# Altium PCB BMD_RevB_PCB.PcbDoc (part 2 of 3)
Units mil, origin at the board's own origin, x right, y up, seen from the top; angles counter-clockwise.
Board outline 5748.03 x 2329.72 mil, 6 copper layers (L1-Top, L2-GND, L3-MID, L4-PWR, L5-PWR5V, L6-Bottom), stack 60.268 mil thick; 313 components, 215 nets, 1099 pads, 390 vias.
Unrouted connection lines stored in the file: 98.
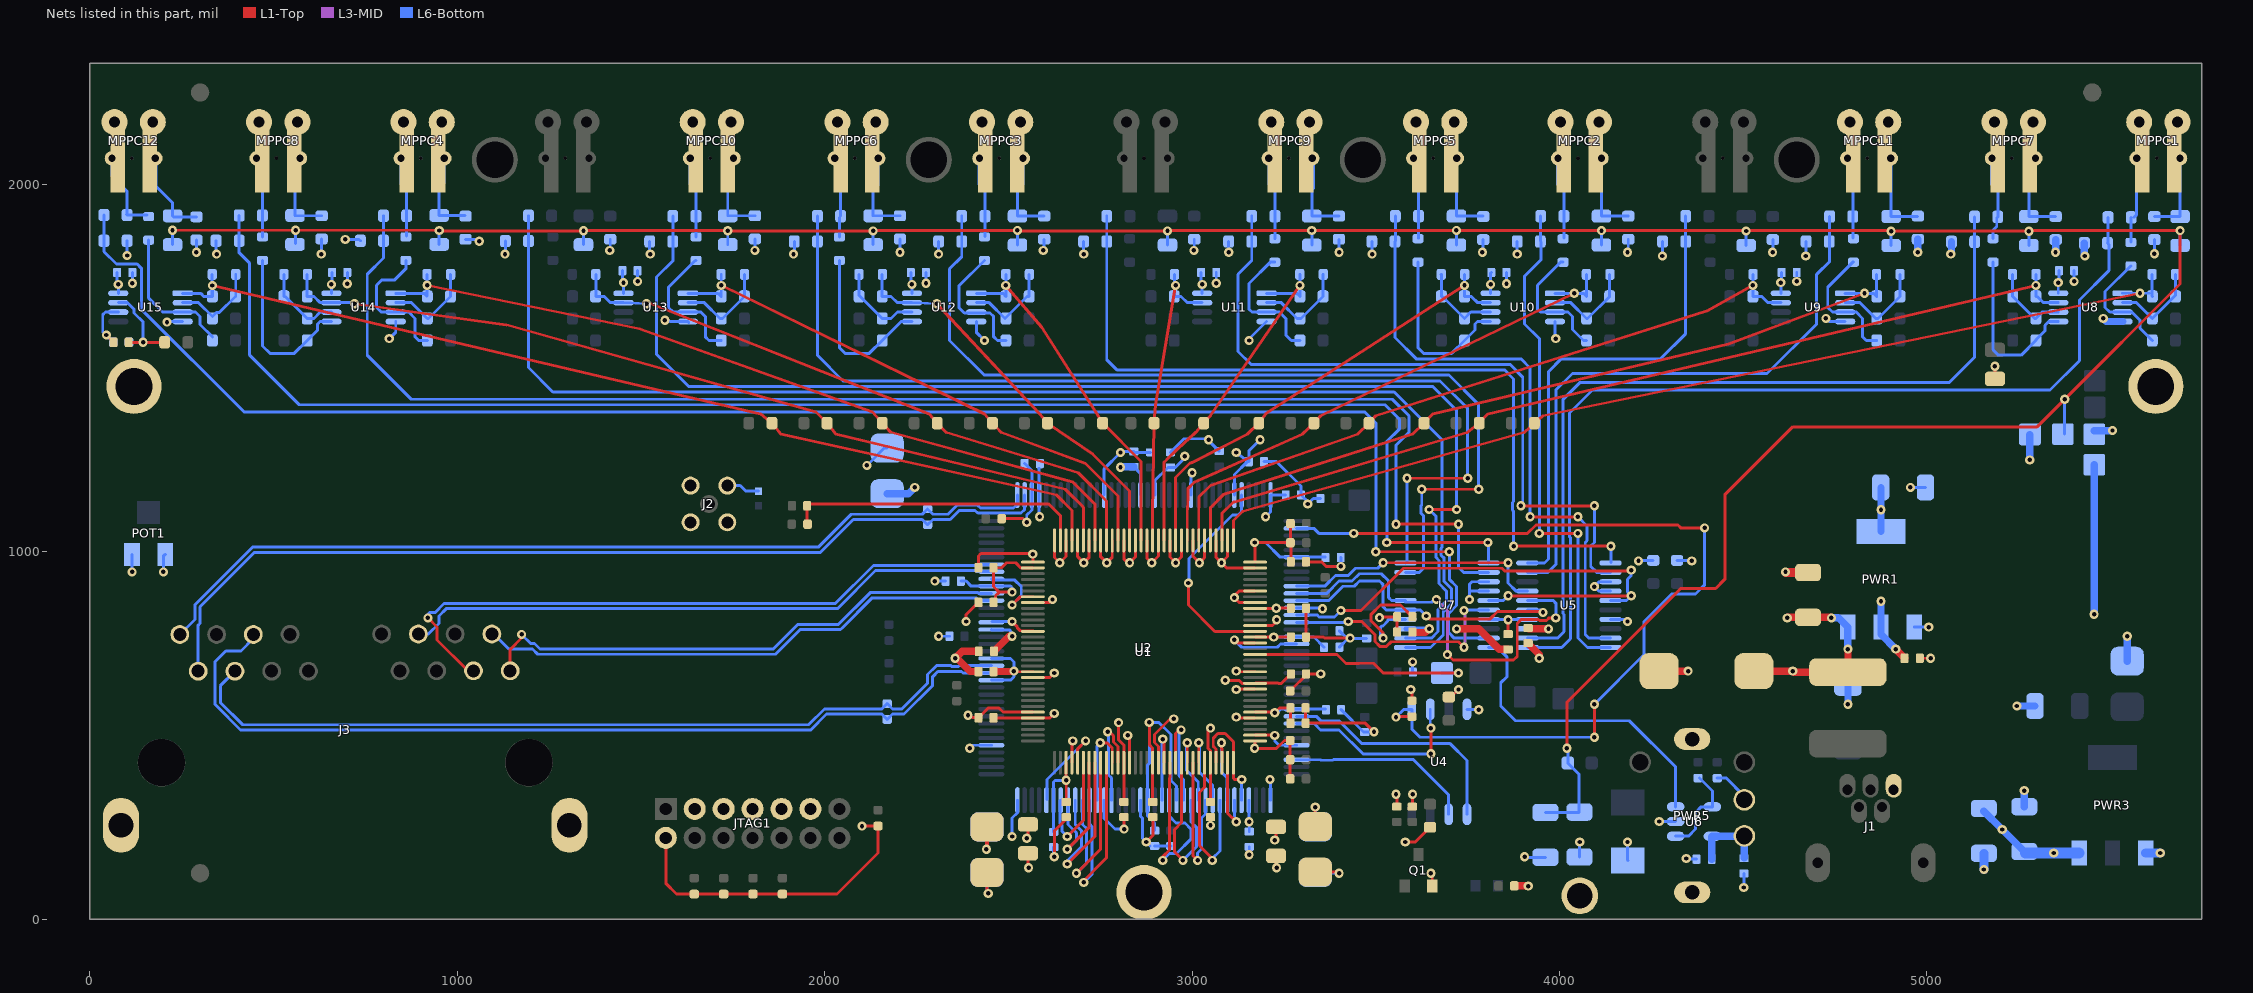
[diagram p6: the nets of this part, all layers, seen from the top]

## Via types
v1: diameter 25, hole 12, L1-Top to L6-Bottom, tented both sides, 390 vias

## Nets (pads, with @x,y where several pads share a name; then routed paths per layer and width w, separated by ;. In a path a pad name is that pad's centre, name@x,y a point inside that pad or via, vN(x,y) a via of type N, cw(c..) or ccw(c..) an arc to the next point about the centre after c; other vN are vias at no path point) (continued)
+2V5: 2.1 C1.2 C2.2 C3.2 C4.2 C5.2 C6.2 C7.2 C8.2 C9.2 C10.2 C11.2 C12.2 C13.2 C14.2 C15.2 C16.2 C22.1 C25.1 C26.2 C27.2 C28.2 C29.2 C30.2 C31.1 C32.1 C33.1 C35.1 C42.1 C43.2 C44.2 C45.1 C46.2 C47.2 C51.2 C60.1 C68.1 C71.1 C76.2 C77.2 C78.2 C89.2 C112.2 C113.2 C116.2 C125.2 C142.2 JTAG1.2 POT1.1 PWR1.2 PWR1.4 R5.2 R7.2 R9.1 R10.2 R11.1 R20.2 R21.2 R22.2 R23.2 R24.2 R25.2 R26.2 R27.2 R28.2 U1.34 U1.40 U1.52 U1.60 U1.67 U1.77 U1.82 U1.92 U1.97 U1.102 U1.107 U1.115 U1.120 U1.128 U2.4 U2.18 U2.20 U2.31 U2.36 U2.42 U2.53 U2.63 U2.76 U2.86 U2.90 U2.103 U2.122 U2.125 U2.129 U2.135 U5.4 U5.17 U7.4 U7.17 U8.8 U9.8 U10.8 U11.8 U12.8 U13.8 U14.8 U15.8 | length 7719.1
  L1-Top w8: JTAG1.2@1567.52,221.26 1567.52,97.48 1596.65,68.35 R22.2@1725,68.35 R23.2@1805,68.35 R24.2@1885,68.35 2033.35,68.35 2145,180 R20.2@2145,253.35 v1(2101.65,253.35) ; C4.2@2459.65,547.74 U1.60@2566.52,547.74 2612.74,547.74 v1(2625,560) ; C2.2@2459.65,862.23 2465,867.58 2465,880 2475,890 ; v1@2501.67,770 v1(2510,770) ; v1(2510,890) 2475,890 ; v1(2515,675) 2516.66,673.34 U1.52@2566.52,673.34 ; v1(2550,220) 2553.15,223.15 C16.2@2553.15,257.87 ; U1.40@2566.52,861.74 2611.74,861.74 v1(2620,870) ; U1.34@2566.52,955.94 2533.92,955.94 2519.86,970 2495,970 2481.43,956.43 C1.2@2459.65,956.43 2459.65,905.35 2475,890 ; v1@2657.07,377.07 v1(2657.07,377.93) U1.67@2657.07,425.79 ; C5.2@2657.48,318.9 v1@2657.48,376.65 ; v1(2800,535) 2800,488.13 2814.07,474.07 U1.77@2814.07,425.79 C7.2@2814.07,319.31 ; v1(2883.5,535.5) 2883.5,474.88 2892.57,465.82 U1.82@2892.57,425.79 C8.2@2892.57,319.31 ; C9.2@3049.57,319.31 U1.92@3049.57,425.79 3049.57,458.82 3043.5,464.88 3043.5,513.5 v1(3050,520) ; v1(3090,650) 3127.5,650 3135.56,641.94 U1.107@3171.52,641.94 3172.07,642.5 3234.32,642.5 3234.88,641.94 3243.32,641.94 C11.2@3268.7,667.32 ; v1(3170,1025) 3170.39,1024.61 R7.2@3267.72,1024.61 ; U1.97@3171.52,484.94 3171.52,466.52 v1(3170,465) 3230,465 3251.22,486.22 R5.2@3266.73,486.22 R9.1@3266.73,434.06 R11.1@3266.73,381.89 ; U1.102@3171.52,563.44 v1@3226.56,563.44 ; U1.115@3171.52,767.54 3227.46,767.54 3227.63,767.72 C12.2@3268.7,767.72 ; U1.120@3171.52,846.04 v1(3228.96,846.04) v1@3233.96,846.04 ; U1.128@3171.52,971.64 v1@3171.52,1023.48 ; v1(3225,215) 3228.35,218.35 C15.2@3228.35,250.98 ; v1(3225,561.88) v1@3226.56,563.44 ; v1@3229.37,846.46 C13.2@3268.7,846.46 ; C6.2@3267.72,533.46 C10.2@3267.72,574.8 3237.92,574.8 v1@3226.56,563.44 ; R10.2@3267.72,1076.77 R7.2@3267.72,1024.61 ; C14.2@3268.7,972.44 3268.7,1023.62 R7.2@3267.72,1024.61 ; C45.1@3335,252.01 v1(3335,305) ; v1(3520,765) 3520,778.85 3487.5,811.35 3487.5,829.99 3512.51,855 3567.24,855 C68.1@3599.41,822.83 ; v1(3580,210) 3607.64,210 R26.2@3647.64,250 ; v1(3595,625) 3598.43,621.57 R25.2@3598.43,594.49 ; R27.2@3698.82,604.33 3704.33,604.33 v1(3725,625) ; C71.1@3860,775.67 v1(3860,815)
  L1-Top w10: v1@2441.93,191.93 C22.1@2441.93,250.98
  L1-Top w20: C3.2@2459.65,673.83 v1@2513.83,673.83 ; C30.2@2460.67,729 v1@2501.67,770 ; v1(4915,735) 4915,734.33 C60.1@4939.33,710
  L6-Bottom w8: v1@74.33,1730.67 C125.2@74.33,1760 ; U15.8@77.4,1703.39 v1(77.4,1727.6) ; v1(200,945) 200,987.64 POT1.1@205.28,992.91 ; U14.8@657.4,1703.39 v1(657.4,1727.6) ; v1@659.33,1729.53 C89.2@659.33,1760 ; v1@1449.33,1735.67 C113.2@1449.33,1765 ; U13.8@1452.4,1703.39 v1(1452.4,1732.6) ; v1@2234.33,1730.67 C78.2@2234.33,1760 ; U12.8@2237.4,1703.39 v1(2237.4,1727.6) ; C25.1@2370.67,920 2385,920 2398.68,906.32 U2.135@2453.66,906.32 2506.32,906.32 2510,902.65 v1(2510,890) ; v1(2440,190) 2441.93,191.93 C32.1@2441.93,250.98 ; U2.122@2453.66,650.42 2505.42,650.42 2515,660 v1(2515,675) 2515,700 2505.53,709.47 U2.125@2453.66,709.47 ; U2.129@2453.66,788.21 2454.37,787.5 2502.5,787.5 2510,780 v1(2510,770) ; C142.2@2583.58,1227.28 U2.4@2583.58,1154.35 2583.58,1096.42 v1(2585,1095) ; C35.1@2622.95,237.28 U2.103@2622.95,323.65 2622.95,372.95 2627.93,377.93 v1(2657.07,377.93) ; C47.2@2841.54,1231.3 2859.17,1213.66 U2.18@2859.17,1154.35 ; C29.2@2897.95,240.67 2897.95,262.05 2878.86,281.14 U2.90@2878.86,323.65 2878.86,418.86 2885,425 2883.5,426.5 v1(2883.5,535.5) 2909.5,535.5 2942.5,502.5 2942.5,377.5 2957.6,362.4 U2.86@2957.6,323.65 ; U2.20@2898.54,1154.35 2898.54,1193.54 2934.33,1229.33 C26.2@2941.19,1229.33 2954.33,1229.33 2980,1255 v1(2980,1260) ; v1@3024.33,1730.67 C112.2@3024.33,1760 ; U11.8@3027.4,1703.39 v1(3027.4,1727.6) ; U2.31@3115.08,1154.35 3115.08,1209.92 3150.16,1245 C46.2@3154.33,1245 ; v1(3120,1270) C46.2@3154.33,1245 ; U2.76@3154.45,323.65 3154.45,265.55 v1(3155,265) 3155.51,264.49 C33.1@3155.51,238.19 ; v1(3170,1025) 3200,1025 3239.94,985.06 U2.42@3284.37,985.06 C43.2@3362.38,985.06 ; v1(3185,1305) 3154.33,1274.33 C46.2@3154.33,1245 ; v1(3200,1095) 3213.5,1108.5 U2.36@3213.5,1154.35 C27.2@3254.75,1154.35 ; v1(3225,561.88) 3231.88,561.88 3241.68,571.68 U2.63@3284.37,571.68 C44.2@3362.65,571.68 ; v1@3227.46,767.54 3331.79,767.54 C28.2@3359.33,740 ; C42.1@3335.63,250.98 v1@3335.63,304.37 ; v1(3520,765) 3513.11,758.11 3513.11,795 3516.28,798.17 3519.32,798.17 3532.5,811.35 3532.5,814.39 3534.06,815.94 U7.4@3580.71,815.94 ; U7.17@3807.09,815.94 v1@3859.06,815.94 ; U10.8@3812.4,1703.39 v1(3812.4,1727.6) 3812.4,1758.07 C77.2@3814.33,1760 ; v1(3860,815) v1@3859.06,815.94 ; U5.4@3912.4,815.94 v1@3859.06,815.94 ; U5.17@4138.78,815.94 4179.06,815.94 v1(4185,810) ; R28.2@4320,976.5 4358.5,976.5 v1(4360,975) ; U9.8@4602.4,1703.39 v1(4602.4,1732.6) ; v1@4604.33,1734.53 C116.2@4604.33,1760 ; U8.8@5357.4,1703.44 v1(5357.4,1732.4) ; v1@5359.33,1734.33 C76.2@5359.33,1765
  L6-Bottom w20: C31.1@2170,1157.99 2227.99,1157.99 v1(2245,1175) ; v1(2805,1230) 2806.3,1231.3 C47.2@2841.54,1231.3 ; v1(4875,865) PWR1.2@4875,795.08 4875,775 v1(4915,735) ; PWR1.4@4875,1054.92 v1(4875,1114.45) C51.2@4875,1173.98 ; 2.1@5455.71,1329.72 5504.72,1329.72 v1(5505,1330)
  other v1: 3222.46,767.54
+5V: 1.1 C52.1 C53.2 C55.2 C56.2 C63.2 C69.2 C70.2 C72.2 FB1.2 PWR1.3 PWR3.3 PWR5.1 R8.1 U5.3 U6.5 U7.3 | length 1745.3
  L1-Top w20: C69.2@3600.9,780 3635,780 v1(3645.35,790.35) ; R8.1@3876.97,90.55 3914.45,90.55 v1(3915,90) ; C72.2@3916.69,790 v1(3970,790) ; PWR5.1@4502.95,226.38 PWR5.1@4510,219.33 ; C52.1@4528.94,675 v1(4635,675) ; v1(4620,820) 4621.54,821.54 C53.2@4676.46,821.54 4738.46,821.54 v1(4740,820) ; v1@4637.56,672.44 FB1.2@4785,672.44 v1(4785,735)
  L6-Bottom w10: U5.3@3912.4,790.35 v1@3969.65,790.35
  L6-Bottom w12: U7.3@3580.71,790.35 v1(3645.35,790.35)
  L6-Bottom w20: v1@3969.65,790.35 v1(3970,790) ; C70.2@4414.37,163.39 U6.5@4414.37,223.98 ; U6.5@4416.14,225.75 PWR5.1@4502.32,225.75 ; C63.2@4502.95,166.62 PWR5.1@4502.95,226.38 ; v1(4740,820) 4759.53,820 PWR1.3@4784.45,795.08 4784.45,735.55 v1(4785,735) ; C56.2@5155,293.98 v1(5205,243.98) C55.2@5265,183.98 C55.2@5268.9,180.08 ; v1(5455,830) 5455.71,830.71 1.1@5455.71,1236.73
  L6-Bottom w30: C55.2@5268.9,180.08 v1(5345,180.08) PWR3.3@5414.45,180.08
+HV: C64.2 C65.2 FB2.2 HV1.1 R36.1 R37.1 R38.1 R47.1 R56.1 R57.1 R58.1 R67.1 R75.1 R76.1 R78.1 R87.1 R94.1 R95.1 R98.1 | length 8960.6
  L1-Top w8: v1(225,1875) v1(560,1875) 950,1875 v1(950.79,1874.21) ; v1@951.5,1873.5 v1(1343.5,1873.5) ; v1@1343.78,1873.78 v1(1736.22,1873.78) ; v1@1736.89,1873.11 v1(2131.89,1873.11) ; v1@2133.39,1874.61 v1(2524.61,1874.61) ; v1@2526.14,1873.07 v1(2933.07,1873.07) ; v1@2934.21,1874.21 v1(3325.79,1874.21) ; v1@3326.06,1874.49 v1(3719.49,1874.49) ; v1@3719.8,1874.17 v1(4114.17,1874.17) v1@4506.57,1874.17 ; v1(4020,465) 4020,590 4330,900 4425,900 4450,925 4450,1155 4635,1340 5300,1340 v1(5375,1415) 5688.98,1728.98 v1(5688.98,1873.98) v1@5279.09,1873.98 ; v1(4507.87,1872.87) v1@4506.57,1874.17 ; v1(5277.56,1872.44) v1(4902.56,1872.44) 4900.83,1874.17 v1@4506.57,1874.17
  L6-Bottom w8: R87.1@225,1835.63 v1(225,1875) ; R67.1@560,1838.54 v1(560,1875) ; R47.1@950.79,1836.61 v1(950.79,1874.21) ; R95.1@1343.5,1835.63 v1(1343.5,1873.5) ; R76.1@1736.22,1835.63 v1(1736.22,1873.78) ; R57.1@2131.89,1835.63 v1(2131.89,1873.11) ; R38.1@2524.61,1834.65 v1(2524.61,1874.61) ; R94.1@2933.07,1834.65 v1(2933.07,1873.07) ; R75.1@3325.79,1834.65 v1(3325.79,1874.21) ; R56.1@3719.49,1834.65 v1(3719.49,1874.49) ; C65.2@3961.61,290.35 4053.15,290.35 4053.15,394.37 FB2.2@4022.52,425 4022.52,462.48 v1(4020,465) ; R37.1@4114.17,1834.65 v1(4114.17,1874.17) ; R98.1@4507.87,1833.66 v1(4507.87,1872.87) ; R78.1@4902.56,1833.66 v1(4902.56,1872.44) ; R58.1@5277.56,1833.66 v1(5277.56,1872.44) ; HV1.1@5375,1320 v1(5375,1415) ; R36.1@5688.98,1833.66 v1(5688.98,1873.98)
AUX1_N: J3.A2 U2.133 | length 1443.7
  L6-Bottom w8: J3.A2@1099.42,775.98 1140.2,735.2 1205,735.2 1219.2,721 1865.8,721 1869.9,725.1 1933.2,788.4 2043.4,788.4 2047.5,792.5 2129.5,874.5 2411.72,874.5 2419.26,866.95 U2.133@2453.66,866.95
AUX1_P: J3.A1 U2.134 | length 1471.4
  L1-Top w8: J3.A1@1144.09,675.99 1144.09,734.09 1175,765 v1(1175,775)
  L6-Bottom w8: v1(1175,775) 1200,750 1210,750 1225,735 1860,735 1927.4,802.4 2037.6,802.4 2123.7,888.5 2417.52,888.5 2419.38,886.64 U2.134@2453.66,886.64
CH1_DACBUF: C86.1 R42.1 U5.1 | length 2612.5
  L6-Bottom w8: U5.1@3912.4,739.17 4005.83,739.17 4030,763.35 4030,1038.18 4027.5,1040.68 4027.5,1377.5 4090,1440 5335,1440 5415,1520 5415,1685 5495,1765 5495,1836.5 C86.1@5491.5,1840 ; C86.1@5492.94,1841.45 R42.1@5492.94,1910
CH1_TGXIN: C73.2 R30.2 R107.2 U1.1 U8.1 | length 2747.4
  L1-Top w8: U1.1@3112.37,1030.79 3112.37,1085 3136.88,1109.51 ; v1(5580,1703.43) 3955,1370 R107.2@3931.5,1350 3905,1325 3138.62,1110 ; 3136.88,1109.51 3138.62,1110 ; 3136.88,1109.51 3137.37,1110 3138.62,1110
  L6-Bottom w8: U8.1@5532.6,1703.43 v1(5580,1703.43) R30.2@5605.07,1703.43 ; C73.2@5613,1755 5613,1695.5 R30.2@5613.5,1695
CH2_DACBUF: C105.1 R64.1 U5.2 | length 2290
  L6-Bottom w8: U5.2@3912.4,764.76 3994.76,764.76 4012.5,782.5 4012.5,829.32 4010,831.82 4010,1415 4055,1460 5060,1460 5129.92,1529.92 C105.1@5129.92,1843.5 R64.1@5129.92,1911.42
CH2_TGXIN: C94.2 R55.2 R113.2 U1.3 U8.7 | length 2521.7
  L1-Top w8: U1.3@3080.97,1030.79 3080.97,1104.03 3111.27,1134.33 ; 3115,1135.45 3112.38,1135.45 3111.27,1134.33 ; v1(5296.75,1725) 3805,1375 R113.2@3781.5,1350 3750,1325 3111.27,1134.33
  L6-Bottom w8: C94.2@5297,1755 v1(5296.75,1725) R55.2@5296.5,1695 5300,1695 5317.16,1677.84 U8.7@5357.4,1677.84
CH3_DACBUF: C124.1 R84.1 U5.9 | length 1652.9
  L6-Bottom w8: U5.9@3912.4,943.9 3968.9,943.9 3990,965 3990,1440 4035,1485 4040,1485 4565,1485 4700,1620 4700,1755 4735.24,1790.24 R84.1@4735.24,1912.4
CH3_TGXIN: C110.2 R72.2 R117.2 U1.5 U9.1 | length 2144.7
  L1-Top w8: U1.5@3049.57,1030.79 3049.57,1104.57 ; v1(4830,1703.39) 4460,1565 3655,1375 R117.2@3631.5,1350 3600,1320 3085,1156.14 3085,1155.27 3049.73,1120 ; 3049.57,1104.57 3049.73,1120 ; 3049.57,1104.57 3049.57,1119.84 3049.73,1120
  L6-Bottom w8: U9.1@4777.6,1703.39 v1(4830,1703.39) 4855.12,1703.39 R72.2@4863,1695.5 ; C110.2@4863,1755 R72.2@4863,1695.5 ; R72.2@4863.5,1695 R72.2@4863,1695.5
CH4_DACBUF: C140.1 R104.1 U5.10 | length 1308.2
  L6-Bottom w8: U5.10@3912.4,969.49 3959.49,969.49 3970,980 3970,1490 4005,1525 4275,1525 4343.5,1593.5 C140.1@4343.5,1844.49 R104.1@4343.5,1913.39
CH4_TGXIN: C130.2 R97.2 R121.2 U1.7 U9.7 | length 1918.4
  L1-Top w8: U1.7@3018.17,1030.79 3018.17,1103.17 3019.45,1150 ; 3018.63,1120 3018.63,1149.18 3019.45,1150 ; v1(4526.5,1725) 4400,1655 3500,1370 R121.2@3481.5,1350 3450,1320 3050,1180.47 ; 3019.45,1150 3049.87,1180.42 ; 3049.87,1180.42 3050,1180.47 ; 3049.87,1180.42 3049.92,1180.47 3050,1180.47
  L6-Bottom w8: C130.2@4526.5,1754.5 v1(4526.5,1725) R97.2@4526.5,1695 4550.59,1695 4567.8,1677.8 U9.7@4602.4,1677.8
CH5_DACBUF: C87.1 R43.1 U5.20 | length 1384.9
  L1-Top w8: v1(3945,1050) v1(4050,1050)
  L6-Bottom w8: v1(3945,1050) 3945,1580 3905,1620 3905,1750 3950,1795 C87.1@3950,1842.32 ; C87.1@3948.82,1845.47 R43.1@3948.82,1913.39 ; v1(4050,1050) 4050,765 4075.83,739.17 U5.20@4138.78,739.17
CH5_TGXIN: C74.2 R31.2 R108.2 U1.9 U10.1 | length 1473.4
  L1-Top w8: U1.9@2986.77,1030.79 2986.77,1101.77 2988.35,1150 2988.35,1171.53 3005,1188.18 3300,1320 R108.2@3331.5,1350 3350,1370 v1(4040,1703.39)
  L6-Bottom w8: U10.1@3987.6,1703.39 v1(4040,1703.39) 4065.12,1703.39 R31.2@4073.5,1695 C74.2@4073.5,1754.5
CH6_DACBUF: C103.1 R62.1 U5.19 | length 1672.2
  L1-Top w8: v1(3920,1095) v1(4050,1095)
  L6-Bottom w8: C103.1@3552.17,1844.49 3552.17,1582.83 3610,1525 3895,1525 3920,1500 v1(3920,1095) ; C103.1@3553.15,1845.47 R62.1@3553.15,1913.39 ; v1(4050,1095) 4075,1070 4075,1030 4070,1025 4070,775 4080.24,764.76 U5.19@4138.78,764.76
CH6_TGXIN: C92.2 R51.2 R111.2 U1.11 U10.7 | length 1262.4
  L1-Top w8: U1.11@2955.37,1030.79 2955.37,1104.63 2955.14,1175 2955.14,1201.96 2994.47,1241.29 2996.51,1241.29 ; v1(3741.5,1725) 3200,1375 R111.2@3181.5,1350 3150,1320 3000,1243.08 ; 2996.51,1241.29 3000,1243.08 ; 2996.51,1241.29 2998.3,1243.08 3000,1243.08
  L6-Bottom w8: C92.2@3741.5,1754.5 v1(3741.5,1725) R51.2@3741.5,1695 3760,1695 3777.2,1677.8 U10.7@3812.4,1677.8
CH7_DACBUF: C122.1 R82.1 U5.12 | length 1969.5
  L1-Top w8: v1(3895,1125) v1(4095,1125)
  L6-Bottom w8: R82.1@3162.4,1913.39 C122.1@3162.4,1844.49 3162.4,1792.4 3125,1755 3125,1545 3160,1510 3865,1510 3900,1475 3900,1130 v1(3895,1125) ; v1(4095,1125) 4095,1025 4085,1015 4085,960 4101.1,943.9 U5.12@4138.78,943.9
CH7_TGXIN: C108.2 R70.2 R115.2 U1.13 U11.1 | length 1020.9
  L1-Top w8: U1.13@2923.97,1030.79 2923.97,1243.97 2930,1250 ; v1(3293.5,1724.75) 3050,1370 R115.2@3031.5,1350 3010,1325 2962,1280 ; 2930,1250 2962,1280 ; 2930,1250 2960,1280 2962,1280
  L6-Bottom w8: U11.1@3202.6,1703.39 3285.12,1703.39 R70.2@3293.5,1695 v1(3293.5,1724.75) 3293.5,1754.5 C108.2@3293,1755
CH8_DACBUF: C138.1 R102.1 U5.11 | length 2286.4
  L1-Top w8: v1(3875,1015) v1(4140,1015)
  L6-Bottom w8: R102.1@2767.72,1913.39 C138.1@2767.72,1844.49 2767.72,1522.28 2795,1495 3850,1495 3875,1470 3875,1136.82 3872.5,1134.32 3872.5,1113.18 3875,1110.68 v1(3875,1015) ; U5.11@4140,970.71 v1(4140,1015)
CH8_TGXIN: C128.2 R91.2 R120.2 U1.15 U11.7 | length 848.6
  L1-Top w8: U1.15@2892.57,1030.79 2892.57,1102.43 R120.2@2896.5,1350 2900,1400 v1(2955,1725) v1@2950,1720
  L6-Bottom w8: R91.2@2951.5,1695 2970,1695 2987.2,1677.8 U11.7@3027.4,1677.8 ; R91.2@2952,1695.5 C128.2@2952,1755
CH9_DACBUF: C88.1 R44.1 U7.9 | length 2522.6
  L1-Top w8: v1(3625,1170) v1(3780,1170)
  L6-Bottom w8: R44.1@2373.03,1913.39 C88.1@2373.03,1844.49 2373.03,1803.03 2340,1770 2340,1575 2434,1481 3699,1481 3780,1400 v1(3780,1170) ; U7.9@3580.71,943.9 3618.9,943.9 3630,955 3630,1098.18 3622.5,1105.68 3622.5,1124.32 3625,1126.82 v1(3625,1170)
CH9_TGXIN: C75.2 R32.2 R109.2 U1.17 U12.1 | length 966
  L1-Top w8: v1(2493,1725) 2591.03,1610.88 R109.2@2756.5,1350 2756.82,1350 2861.17,1245.65 U1.17@2861.17,1030.79
  L6-Bottom w8: U12.1@2412.6,1703.39 2485.12,1703.39 R32.2@2493,1695.5 ; C75.2@2493,1755 v1(2493,1725) R32.2@2493,1695.5 ; R32.2@2493.5,1695 R32.2@2493,1695.5
CH10_DACBUF: C104.1 R63.1 U7.10 | length 2795.6
  L1-Top w8: v1(3585,1200) v1(3750,1200)
  L6-Bottom w8: R63.1@1980.31,1913.39 C104.1@1980.32,1844.49 1980.32,1534.69 2050,1465 3675,1465 3750,1390 v1(3750,1200) ; U7.10@3580.71,969.49 3585,973.78 v1(3585,1200)
CH10_TGXIN: C93.2 R53.2 R112.2 U1.19 U12.7 | length 1084
  L1-Top w8: v1(2305,1675) 2585,1375 R112.2@2606.5,1350 2730,1265 2829.77,1165.23 U1.19@2829.77,1030.79
  L6-Bottom w8: C93.2@2156.5,1754.5 R53.2@2156.5,1695 2180.59,1695 2197.8,1677.8 U12.7@2237.4,1677.8 v1(2305,1675)
CH11_DACBUF: C123.1 R83.1 U7.2 | length 3437.1
  L1-Top w8: v1(3645,1115) v1(3720,1115)
  L6-Bottom w8: R83.1@1586.61,1913.39 C123.1@1586.61,1844.49 1586.61,1791.61 1542.5,1747.5 1542.5,1537.5 1630,1450 3655,1450 3720,1385 v1(3720,1115) ; U7.2@3580.71,764.76 3651.58,764.76 3669.5,782.68 3669.5,842.68 3692,865.18 3692,893.4 3672,913.4 3672,976.38 3663.5,984.88 3663.5,1096.5 v1(3645,1115)
CH11_TGXIN: C109.2 R71.2 R116.2 U1.21 U13.1 | length 1509.6
  L1-Top w8: v1(1718.5,1725) 2435,1375 R116.2@2456.5,1350 2480,1325 2710,1240 2798.37,1151.63 U1.21@2798.37,1030.79
  L6-Bottom w8: U13.1@1627.6,1703.39 1710.12,1703.39 R71.2@1718.5,1695 v1(1718.5,1725) C109.2@1718.5,1754.5
CH12_DACBUF: C139.1 R103.1 U7.1 | length 3651.3
  L6-Bottom w8: R103.1@1193.9,1914.37 C139.1@1193.9,1845.47 1193.9,1501.1 1260,1435 3550,1435 3680,1305 3680,1011.82 3677.5,1009.32 3677.5,990.68 3686,982.18 3686,919.2 3706,899.2 3706,859.38 3683.5,836.88 3683.5,773.5 3649.17,739.17 U7.1@3580.71,739.17
CH12_TGXIN: C129.2 R93.2 R119.2 U1.23 U13.7 | length 1697.2
  L1-Top w8: v1(1515,1675) 1515,1680 1516.71,1679.32 2285,1375 R119.2@2306.5,1350 2330,1325 2690,1215 2766.97,1138.03 U1.23@2766.97,1030.79
  L6-Bottom w8: R93.2@1377,1695.5 C129.2@1377,1755 ; R93.2@1377.5,1695 1400,1695 1417.2,1677.8 U13.7@1452.4,1677.8 v1(1515,1675)
CH13_DACBUF: C95.1 R49.1 U7.12 | length 3985.6
  L1-Top w8: v1(3555,1075) v1(3725,1075)
  L6-Bottom w8: R49.1@799.21,1914.37 C95.1@799.21,1846.46 799.21,1799.21 755,1755 755,1535 875,1415 3545,1415 3590,1370 3590,1325 3555,1290 v1(3555,1075) ; v1(3725,1075) 3725,957.8 3738.9,943.9 U7.12@3807.09,943.9
CH13_TGXIN: C85.2 R45.2 R110.2 U1.25 U14.1 | length 2183.2
  L1-Top w8: v1(918,1725.25) 1495.67,1606.89 2130,1380 R110.2@2156.5,1350 2180,1325 2675,1190 2735.57,1129.43 U1.25@2735.57,1030.79
  L6-Bottom w8: U14.1@832.6,1703.39 910.12,1703.39 918,1695.5 v1(918,1725.25) C85.2@918,1755
CH14_DACBUF: C111.1 R69.1 U7.11 | length 4275.5
  L1-Top w8: v1(3530,1025) v1(3805,1025)
  L6-Bottom w8: R69.1@406.5,1915.35 C111.1@406.5,1846.46 406.5,1813.5 435,1785 435,1535 570,1400 3525,1400 3565,1360 3565,1335 3530,1300 v1(3530,1025) ; v1(3805,1025) 3807.09,1022.91 U7.11@3807.09,969.49
CH14_TGXIN: C102.2 R66.2 R114.2 U1.27 U14.7 | length 2372.5
  L1-Top w8: v1(720,1675) 1133.56,1617.62 1976.5,1380 R114.2@2006.5,1350 2030,1320 2655,1170 2704.17,1120.83 U1.27@2704.17,1030.79
  L6-Bottom w8: C102.2@591.5,1754.5 R66.2@591.5,1695 610,1695 627.2,1677.8 U14.7@657.4,1677.8 717.2,1677.8 v1(720,1675)
CH15_DACBUF: C131.1 R89.1 U7.19 | length 4723.1
  L1-Top w8: v1(3500,1000) v1(3700,1000)
  L6-Bottom w8: R89.1@38.39,1916.34 C131.1@38.39,1846.46 38.39,1816.61 72.2,1782.8 128.74,1782.8 140,1771.53 140,1660 420,1380 3470,1380 3500,1350 v1(3500,1000) ; v1(3700,1000) 3700,925 3720,905 3720,853.58 3697.5,831.08 3697.5,780.68 3713.42,764.76 U7.19@3807.09,764.76
CH15_TGXIN: C121.2 R85.2 R118.2 U1.29 U15.1 | length 2693.4
  L1-Top w8: v1(333.5,1724.5) 1825,1375 R118.2@1856.5,1350 1880,1320 2630,1155 2672.77,1112.23 U1.29@2672.77,1030.79
  L6-Bottom w8: U15.1@252.6,1703.39 301.61,1703.39 310,1695 R85.2@333.5,1695 v1(333.5,1724.5) ; R85.2@333,1695.5 C121.2@333,1755
CH16_CALIB: C141.1 R105.1 U1.31 | length 821
  L1-Top w8: R105.1@1952.32,1075.98 C141.1@1952.32,1125 1957.32,1130 2610,1130 2641.37,1098.63 U1.31@2641.37,1030.79
CH16_DACBUF: U6.3 U7.20 | length 857.8
  L6-Bottom w8: U7.20@3807.09,739.17 3830.83,739.17 3857.5,712.5 3857.5,660.68 3840,643.18 3840,580 3857.5,562.5 ; 3860,560 3857.5,562.5 ; U6.3@4316.14,305.75 4316.14,413.86 4190,540 3880,540 3857.5,562.5
CLR: U1.95 U2.78 | length 231.1
  L1-Top w8: U1.95@3096.67,425.79 3096.67,288.33 v1(3120,265)
  L6-Bottom w8: U2.78@3115,323.57 3115,270 v1(3120,265)
DAC_HV_ADJ: R18.2 U6.1 U6.4 | length 252.1
  L6-Bottom w8: U6.1@4316.14,225.75 4350.75,225.75 4370,245 4370,290 4385.75,305.75 U6.4@4416.14,305.75 4416.14,348.86 R18.2@4381.14,383.86
DAC_L\D\A\C\: U2.50 U5.15 U7.15 | length 1504.8
  L1-Top w8: v1(3405,840) 3460,840 3575,955 3843.18,955 3850.68,947.5 4192.5,947.5 v1(4195,950) ; v1(3860,880) v1(4195,880)
  L6-Bottom w8: U2.50@3284.37,827.58 3340.6,827.58 3345.68,822.5 3387.5,822.5 v1(3405,840) ; U7.15@3807.09,867.13 3847.13,867.13 v1(3860,880) ; U5.15@4138.78,867.13 4182.13,867.13 v1(4195,880) 4185,890 4185,925 4195,935 v1(4195,950)
DAC_S\Y\N\C\: U2.48 U5.5 U7.5 | length 825.3
  L1-Top w8: v1(3637.5,825) 3645,817.5 3811.5,817.5 3831.5,837.5 3952.5,837.5 v1(3955,835)
  L6-Bottom w8: U2.48@3284.37,866.95 3284.92,867.5 3364.32,867.5 3364.87,866.95 3371.95,866.95 3411,906 3441.26,906 3455.26,920 3510,920 3520,910 3520,850 3528.46,841.54 U7.5@3580.71,841.54 3620.96,841.54 v1(3637.5,825) ; U5.5@3912.4,841.54 3948.46,841.54 v1(3955,835)
DAC_SCLK: U2.47 U5.6 U7.6 | length 1153.6
  L1-Top w8: v1(3695,720) 3710,705 3875,705 3885,715 3885,805 3895,815 3943.18,815 3945.68,812.5 3964.32,812.5 3971.82,820 v1(3990,820)
  L3-MID w8: v1(3665,870) 3695,840 v1(3695,720)
  L6-Bottom w8: U2.47@3284.37,886.64 3366.64,886.64 3400,920 3435.46,920 3455.46,940 3515,940 3535,920 3535,875 3542.87,867.13 U7.6@3580.71,867.13 3580.71,862.5 3652.5,862.5 3660,870 v1(3665,870) ; U5.6@3912.4,867.13 3982.87,867.13 3990,860 v1(3990,820)
DAC_SDI: U2.46 U5.7 | length 718.6
  L1-Top w8: v1(3520,970) v1(3860,970)